# KiCad board DecentXL-keyboard-vintage.kicad_pcb
title: DecentXL keyboard; date: 2024-02-14; rev: 4v
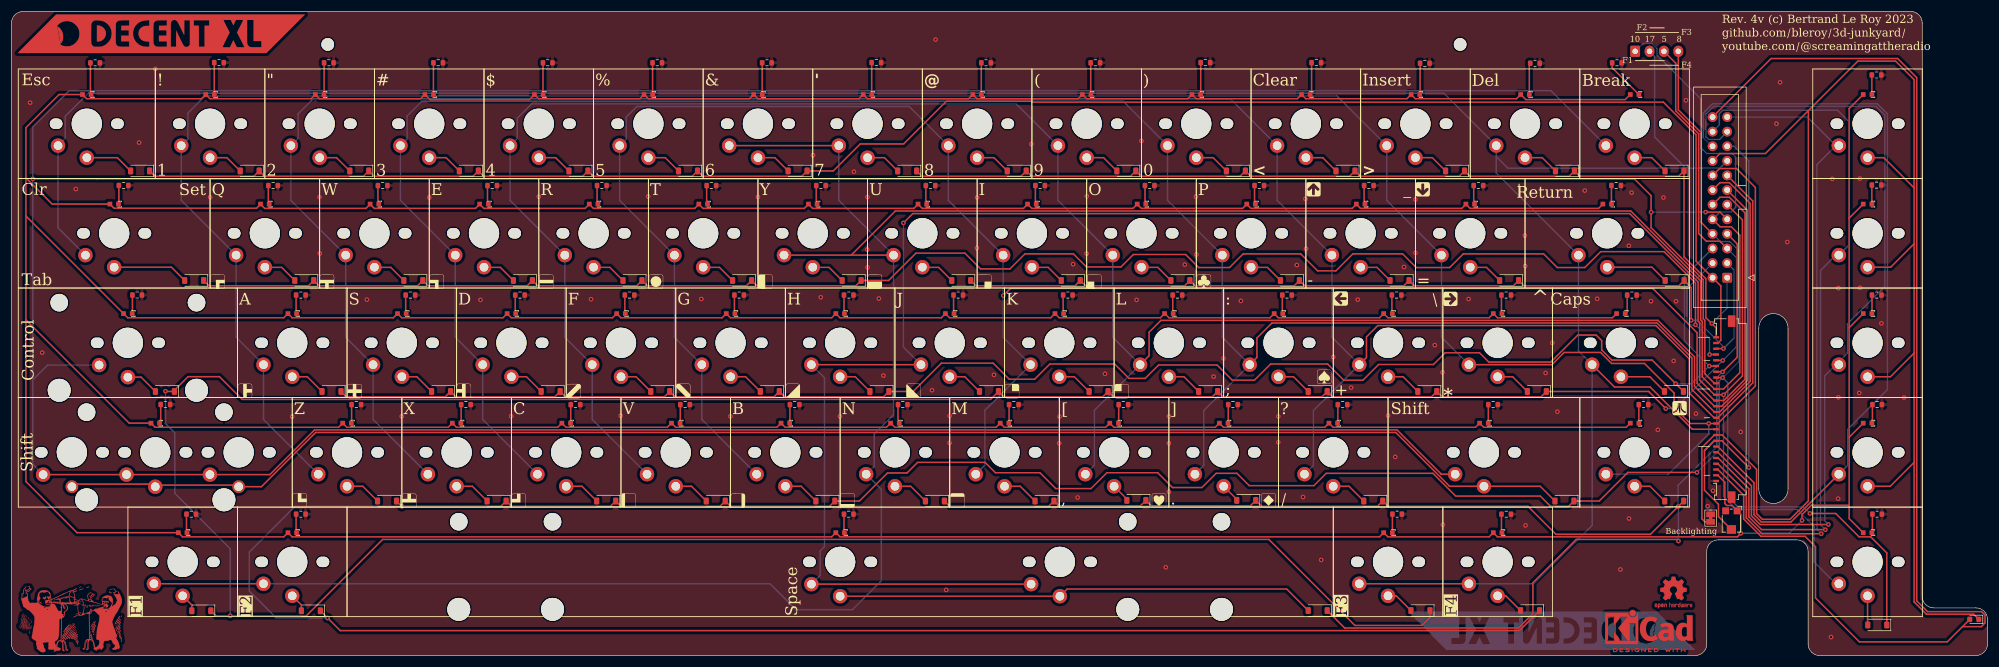
[diagram p0: board, top side]
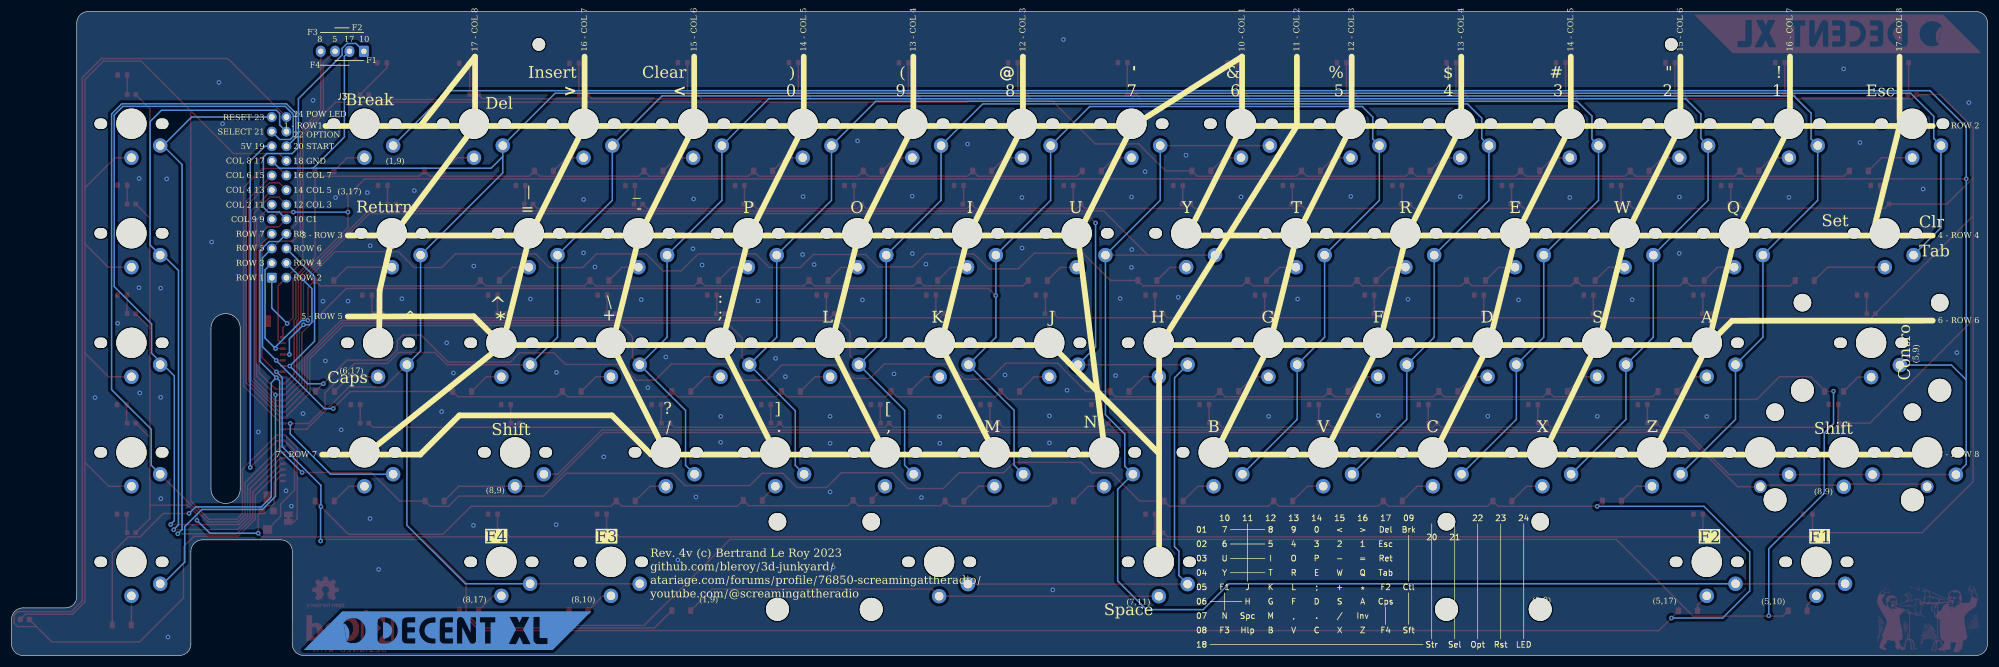
[diagram p1: board, bottom side, seen from below]

Outline 343.52 x 112 mm; copper layers: Top, Bottom. Coordinates in mm from the lower left corner of the outline.
Outline path: 0,110 arc(0.59,111.41) 2,112 330.18,112 arc(331.59,111.41) 332.18,110 332.18,10.28 arc(332.76,8.87) 334.18,8.28 341.52,8.28 arc(342.93,7.69) 343.52,6.28 343.52,2 arc(342.93,0.59) 341.52,0 314.33,0 arc(312.92,0.59) 312.33,2 312.33,18.11 arc(311.75,19.53) 310.33,20.11 296.71,20.11 arc(295.29,19.53) 294.71,18.11 294.72,2 arc(294.13,0.59) 292.72,0 2,0 arc(0.59,0.59) 0,2 0,110 ; 303.76,56.92 303.76,28.98 arc(306.3,26.44) 308.84,28.98 308.84,56.92 arc(306.3,59.46) 303.76,56.92

## Placement (name value [footprint] x y rotation side)
D1  1N4148W  [D_SOD-123]  289.11 84.28 180 top
D2  1N4148W  [D_SOD-123]  26.68 45.92 180 top
D3  1N4148W  [D_SOD-123]  269.98 26.87 180 top
D4  1N4148W  [D_SOD-123]  324.36 5.31 180 top
D5  1N4148W  [D_SOD-123]  155.71 84.27 180 top
D6  1N4148W  [D_SOD-123]  136.66 84.27 180 top
D7  1N4148W  [D_SOD-123]  165.11 65.22 180 top
D8  1N4148W  [D_SOD-123]  146.06 65.22 180 top
D9  1N4148W  [D_SOD-123]  33 7.78 180 top
D10  1N4148W  [D_SOD-123]  160.53 26.87 180 top
D11  1N4148W  [D_SOD-123]  52.05 7.78 180 top
D12  1N4148W  [D_SOD-123]  169.93 45.92 180 top
D13  1N4148W  [D_SOD-123]  150.88 45.92 180 top
D14  1N4148W  [D_SOD-123]  227.08 7.82 180 top
D15  1N4148W  [D_SOD-123]  174.76 84.27 180 top
D16  1N4148W  [D_SOD-123]  117.61 84.27 180 top
D17  1N4148W  [D_SOD-123]  184.16 65.22 180 top
D18  1N4148W  [D_SOD-123]  127.01 65.22 180 top
D19  1N4148W  [D_SOD-123]  188.98 45.92 180 top
D20  1N4148W  [D_SOD-123]  131.83 45.92 180 top
D21  1N4148W  [D_SOD-123]  179.58 26.87 180 top
D22  1N4148W  [D_SOD-123]  141.48 26.87 180 top
D23  1N4148W  [D_SOD-123]  193.81 84.27 180 top
D24  1N4148W  [D_SOD-123]  98.56 84.27 180 top
D25  1N4148W  [D_SOD-123]  203.21 65.22 180 top
D26  1N4148W  [D_SOD-123]  107.96 65.22 180 top
D27  1N4148W  [D_SOD-123]  208.03 45.92 180 top
D28  1N4148W  [D_SOD-123]  112.78 45.92 180 top
D29  1N4148W  [D_SOD-123]  195.55 26.98 180 top
D30  1N4148W  [D_SOD-123]  122.43 26.87 180 top
D31  1N4148W  [D_SOD-123]  212.86 84.27 180 top
D32  1N4148W  [D_SOD-123]  79.51 84.27 180 top
D33  1N4148W  [D_SOD-123]  222.26 65.22 180 top
D34  1N4148W  [D_SOD-123]  88.91 65.22 180 top
D35  1N4148W  [D_SOD-123]  227.08 45.92 180 top
D36  1N4148W  [D_SOD-123]  93.73 45.92 180 top
D37  1N4148W  [D_SOD-123]  214.66 26.98 180 top
D38  1N4148W  [D_SOD-123]  103.38 26.87 180 top
D39  1N4148W  [D_SOD-123]  231.91 84.27 180 top
D40  1N4148W  [D_SOD-123]  60.46 84.27 180 top
D41  1N4148W  [D_SOD-123]  241.31 65.22 180 top
D42  1N4148W  [D_SOD-123]  69.86 65.22 180 top
D43  1N4148W  [D_SOD-123]  246.13 45.92 180 top
D44  1N4148W  [D_SOD-123]  74.68 45.92 180 top
D45  1N4148W  [D_SOD-123]  236.73 26.87 180 top
D46  1N4148W  [D_SOD-123]  84.33 26.87 180 top
D47  LED  [LED_0603_1608Metric]  341.22 6.28 180 top
D48  1N4148W  [D_SOD-123]  250.96 84.27 180 top
D49  1N4148W  [D_SOD-123]  41.41 84.27 180 top
D50  1N4148W  [D_SOD-123]  260.36 65.22 180 top
D51  1N4148W  [D_SOD-123]  50.9 65.22 180 top
D52  1N4148W  [D_SOD-123]  265.18 45.92 180 top
D53  1N4148W  [D_SOD-123]  55.63 45.92 180 top
D54  1N4148W  [D_SOD-123]  289.06 26.87 180 top
D55  1N4148W  [D_SOD-123]  65.28 26.87 180 top
D56  1N4148W  [D_SOD-123]  270.07 84.27 180 top
D57  1N4148W  [D_SOD-123]  22.36 84.27 180 top
D58  1N4148W  [D_SOD-123]  289.14 65.22 180 top
D59  1N4148W  [D_SOD-123]  31.76 65.22 180 top
D60  1N4148W  [D_SOD-123]  244.94 7.82 180 top
D61  1N4148W  [D_SOD-123]  289.02 45.93 180 top
D62  1N4148W  [D_SOD-123]  263.99 7.82 180 top
G***  -  [LOGO]  150.09 65.03 0 top
G***#2  -  [LOGO]  135.84 46.03 0 top
G***#3  -  [LOGO]  97.74 45.98 0 top
G***#4  -  [LOGO]  228.22 48.46 0 top
G***#5  -  [LOGO]  107.29 26.98 0 top
G***#6  -  [LOGO]  156.79 46.03 0 top
G***#7  -  [LOGO]  131.04 65.03 0 top
G***#8  -  [LOGO]  59.64 45.98 0 top
G***#9  -  [LOGO]  88.19 26.93 0 top
G***#10  -  [LOGO]  116.79 46.03 0 top
G***#11  -  [LOGO]  289.99 43.03 0 top
G***#12  -  [LOGO]  169.14 65.03 0 top
G***#13  -  [LOGO]  164.44 26.98 0 top
G***#14  -  [LOGO]  54.84 65.03 0 top
G***#15  -  [LOGO]  231.09 62.08 270 top
G***#16  -  [LOGO]  218.54 26.98 0 top
G***#17  -  [LOGO]  50.09 26.98 0 top
G***#18  -  [LOGO]  245.34 81.08 0 top
G***#19  -  [LOGO]  126.29 26.93 0 top
G***#20  -  [LOGO]  188.24 65.03 0 top
G***#21  -  [LOGO]  35.84 65.03 0 top
G***#22  -  [LOGO]  173.94 45.98 0 top
G***#23  -  [LOGO]  192.99 45.98 0 top
G***#24  -  [LOGO]  40.59 46.03 0 top
G***#25  -  [LOGO]  145.34 26.98 0 top
G***#26  -  [LOGO]  92.99 65.03 0 top
G***#27  -  [LOGO]  112.04 65.03 0 top
G***#28  -  [LOGO]  226.34 81.08 180 top
G***#29  -  [LOGO]  199.49 26.98 0 top
G***#30  -  [LOGO]  78.64 46.03 0 top
G***#31  -  [LOGO]  69.14 26.93 0 top
G***#32  LOGO  [ScreamingAtTheRadio]  10.37 7.39 0 top
G***#33  -  [LOGO]  26.05 108.14 0 top
G***#34  -  [LOGO]  207.29 65.03 0 top
G***#35  -  [LOGO]  250.14 62.03 90 top
G***#36  -  [LOGO]  73.94 65.03 0 top
G***#37  -  [DecentXL Logo]  267.72 4.33 180 bottom
J1  Conn_02x12_Odd_Even  [IDC-Header_2x12_P2.54mm_Vertical]  298.27 65.71 180 top
J2  Conn_01x26  [Molex_200528-0260_1x26-1MP_P1.00mm_Horizontal]  297.25 42.85 90 top
J3  Conn_01x04  [JST_EH_S4B-EH_1x04_P2.50mm_Horizontal]  282.26 105.08 0 bottom
JP1  SolderJumper_2_Bridged  [SolderJumper-2_P1.3mm_Bridged_Pad1.0x1.5mm]  295.39 23.9 90 top
R1  100  [R_0603_1608Metric]  279.1 103.07 0 top
R2  100  [R_0603_1608Metric]  21.85 62.69 0 top
R3  100  [R_0603_1608Metric]  26.76 43.66 0 top
R4  100  [R_0603_1608Metric]  257.56 43.63 0 top
R5  100  [R_0603_1608Metric]  324.34 24.58 0 top
R6  100  [R_0603_1608Metric]  150.36 103.11 0 top
R7  100  [R_0603_1608Metric]  131.32 103.08 0 top
R8  100  [R_0603_1608Metric]  159.77 81.73 0 top
R9  100  [R_0603_1608Metric]  140.72 81.73 0 top
R10  100  [R_0603_1608Metric]  31.25 24.58 0 top
R11  100  [R_0603_1608Metric]  154.95 43.63 0 top
R12  100  [R_0603_1608Metric]  50.3 24.58 0 top
R13  100  [R_0603_1608Metric]  324.34 43.63 0 top
R14  100  [R_0603_1608Metric]  164.6 62.68 0 top
R15  100  [R_0603_1608Metric]  145.55 62.68 0 top
R16  100  [R_0603_1608Metric]  145.55 24.58 0 top
R17  100  [R_0603_1608Metric]  324.26 62.68 0 top
R18  100  [R_0603_1608Metric]  169.43 103.08 0 top
R19  100  [R_0603_1608Metric]  112.27 103.08 0 top
R20  100  [R_0603_1608Metric]  178.82 81.73 0 top
R21  100  [R_0603_1608Metric]  121.67 81.73 0 top
R22  100  [R_0603_1608Metric]  183.65 62.68 0 top
R23  100  [R_0603_1608Metric]  126.5 62.68 0 top
R24  100  [R_0603_1608Metric]  174.25 43.63 0 top
R25  100  [R_0603_1608Metric]  136.15 43.63 0 top
R26  100  [R_0603_1608Metric]  324.24 81.81 0 top
R27  100  [R_0603_1608Metric]  188.43 103.08 0 top
R28  100  [R_0603_1608Metric]  93.22 103.08 0 top
R29  100  [R_0603_1608Metric]  197.87 81.73 0 top
R30  100  [R_0603_1608Metric]  102.62 81.73 0 top
R31  100  [R_0603_1608Metric]  202.7 62.68 0 top
R32  100  [R_0603_1608Metric]  107.45 62.68 0 top
R33  100  [R_0603_1608Metric]  193.3 43.63 0 top
R34  100  [R_0603_1608Metric]  117.1 43.63 0 top
R35  100  [R_0603_1608Metric]  324.24 100.96 0 top
R36  100  [R_0603_1608Metric]  207.56 103.11 0 top
R37  100  [R_0603_1608Metric]  74.18 103.08 0 top
R38  100  [R_0603_1608Metric]  216.92 81.73 0 top
R39  100  [R_0603_1608Metric]  83.57 81.73 0 top
R40  100  [R_0603_1608Metric]  221.75 62.68 0 top
R41  100  [R_0603_1608Metric]  88.4 62.68 0 top
R42  100  [R_0603_1608Metric]  212.35 43.63 0 top
R43  100  [R_0603_1608Metric]  98.05 43.63 0 top
R44  100  [R_0603_1608Metric]  226.84 103.1 0 top
R45  100  [R_0603_1608Metric]  55.17 103.08 0 top
R46  100  [R_0603_1608Metric]  235.97 81.73 0 top
R47  100  [R_0603_1608Metric]  64.52 81.73 0 top
R48  100  [R_0603_1608Metric]  240.8 62.68 0 top
R49  100  [R_0603_1608Metric]  69.35 62.68 0 top
R50  100  [R_0603_1608Metric]  231.4 43.63 0 top
R51  100  [R_0603_1608Metric]  79 43.63 0 top
R52  100  [R_0603_1608Metric]  245.7 103 0 top
R53  100  [R_0603_1608Metric]  36.07 103.11 0 top
R54  100  [R_0603_1608Metric]  255.02 81.73 0 top
R55  100  [R_0603_1608Metric]  45.47 81.73 0 top
R56  100  [R_0603_1608Metric]  259.85 62.68 0 top
R57  100  [R_0603_1608Metric]  50.3 62.68 0 top
R58  100  [R_0603_1608Metric]  283.72 43.63 0 top
R59  100  [R_0603_1608Metric]  59.95 43.63 0 top
R60  100  [R_0603_1608Metric]  264.85 103 0 top
R61  100  [R_0603_1608Metric]  14.54 103.07 0 top
R62  100  [R_0603_1608Metric]  278.97 81.74 0 top
R63  100  [R_0603_1608Metric]  19.49 81.75 0 top
R64  100  [R_0603_1608Metric]  240.89 24.59 0 top
R65  100  [R_0603_1608Metric]  281.7 62.68 0 top
R66  100  [R_0603_1608Metric]  259.85 24.58 0 top
REF**  -  [MountingHole_2.2mm_M2]  251.84 106.27 0 top
REF**#2  -  [KiCad-Logo2_6mm_Copper]  284.7 4.96 0 top
REF**#3  -  [OSHW-Logo2_7.3x6mm_Copper]  288.93 10.95 0 top
REF**#4  -  [MountingHole_2.2mm_M2]  54.98 106.27 0 top
REF**#5  -  [AtariXL_Matrix]  106.62 13.39 180 bottom
RV1  R_Potentiometer  [Potentiometer_Bourns_TC33X_Vertical]  299 23.36 270 top
SW0  0  [Choc-1-00U-LED]  205.97 97.56 0 top
SW1  1  [Choc-1-00U-LED]  34.52 97.56 0 top
SW2  2  [Choc-1-00U-LED]  53.57 97.56 0 top
SW3  3  [Choc-1-00U-LED]  72.62 97.56 0 top
SW4  4  [Choc-1-00U-LED]  91.67 97.56 0 top
SW5  5  [Choc-1-00U-LED]  110.72 97.56 0 top
SW6  6  [Choc-1-00U-LED]  129.77 97.56 0 top
SW7  7  [Choc-1-00U-LED]  148.82 97.56 0 top
SW8  8  [Choc-1-00U-LED]  167.87 97.56 0 top
SW9  9  [Choc-1-00U-LED]  186.92 97.56 0 top
SWA1  A  [Choc-1-00U-LED]  48.81 59.46 0 top
SWB1  B  [Choc-1-00U-LED]  134.53 40.41 0 top
SWBrk1  Break  [Choc-1-00U-LED]  282.17 97.56 0 top
SWC1  C  [Choc-1-00U-LED]  96.43 40.41 0 top
SWComma1  Comma  [Choc-1-00U-LED]  191.68 40.41 0 top
SWCps1  Caps  [Choc-1-25U-LED]  279.79 59.46 0 top
SWCtl1  Control  [Choc-2-00U-LED]  20.23 59.46 0 top
SWD1  D  [Choc-1-00U-LED]  86.91 59.46 0 top
SWDash1  Dash  [Choc-1-00U-LED]  234.54 78.51 0 top
SWDel1  Del  [Choc-1-00U-LED]  263.12 97.56 0 top
SWE1  E  [Choc-1-00U-LED]  82.14 78.51 0 top
SWEqual1  Equal  [Choc-1-00U-LED]  253.59 78.51 0 top
SWEsc1  Esc  [Choc-1-25U-LED]  13.09 97.56 0 top
SWF1  F  [Choc-1-00U-LED]  105.96 59.46 0 top
SWFn1  F1  [Choc-1-00U-LED]  29.76 21.36 0 top
SWFn2  F3  [Choc-1-00U-LED]  48.81 21.36 0 top
SWFn3  F2  [Choc-1-00U-LED]  239.31 21.36 0 top
SWFn4  F4  [Choc-1-00U-LED]  258.36 21.36 0 top
SWG1  G  [Choc-1-00U-LED]  125.01 59.46 0 top
SWGT1  GreaterThan  [Choc-1-00U-LED]  244.07 97.56 0 top
SWH1  H  [Choc-1-00U-LED]  144.06 59.46 0 top
SWHlp1  Help  [Choc-1-00U-LED]  322.67 21.36 0 top
SWI1  I  [Choc-1-00U-LED]  177.39 78.51 0 top
SWInv1  Inverse  [Choc-1-00U-LED]  282.17 40.41 0 top
SWJ1  J  [Choc-1-00U-LED]  163.11 59.46 0 top
SWK1  K  [Choc-1-00U-LED]  182.16 59.46 0 top
SWL1  L  [Choc-1-00U-LED]  201.21 59.46 0 top
SWLeftSft1  Shift  [Choc-2-50U-LED]  24.99 40.41 0 top
SWLT1  LessThan  [Choc-1-00U-LED]  225.02 97.56 0 top
SWM1  M  [Choc-1-00U-LED]  172.63 40.41 0 top
SWN1  N  [Choc-1-00U-LED]  153.58 40.41 0 top
SWO1  O  [Choc-1-00U-LED]  196.44 78.51 0 top
SWOption1  Option  [Choc-1-00U-LED]  322.67 78.51 0 top
SWP1  P  [Choc-1-00U-LED]  215.49 78.51 0 top
SWPeriod1  Period  [Choc-1-00U-LED]  210.73 40.41 0 top
SWPlus1  Plus  [Choc-1-00U-LED]  239.31 59.46 0 top
SWQ1  Q  [Choc-1-00U-LED]  44.04 78.51 0 top
SWR1  R  [Choc-1-00U-LED]  101.19 78.51 0 top
SWReset1  Reset  [Choc-1-00U-LED]  322.67 97.56 0 top
SWRet1  Return  [Choc-1-50U-LED]  277.41 78.51 0 top
SWRightSft1  Shift  [Choc-1-75U-LED]  255.97 40.41 0 top
SWS1  S  [Choc-1-00U-LED]  67.86 59.46 0 top
SWSelect1  Select  [Choc-1-00U-LED]  322.67 59.46 0 top
SWSemi1  Semicolon  [Choc-1-00U-LED]  220.26 59.46 0 top
SWSlash1  Slash  [Choc-1-00U-LED]  229.78 40.41 0 top
SWSpc1  Space  [Choc-9-00U-LED]  144.06 21.36 0 top
SWStar1  Star  [Choc-1-00U-LED]  258.36 59.46 0 top
SWStart1  Start  [Choc-1-00U-LED]  322.67 40.41 0 top
SWT1  T  [Choc-1-00U-LED]  120.24 78.51 0 top
SWTab1  Tab  [Choc-1-75U-LED]  17.85 78.51 0 top
SWU1  U  [Choc-1-00U-LED]  158.34 78.51 0 top
SWV1  V  [Choc-1-00U-LED]  115.48 40.41 0 top
SWW1  W  [Choc-1-00U-LED]  63.09 78.51 0 top
SWX1  X  [Choc-1-00U-LED]  77.38 40.41 0 top
SWY1  Y  [Choc-1-00U-LED]  139.29 78.51 0 top
SWZ1  Z  [Choc-1-00U-LED]  58.33 40.41 0 top

## Library data of the parts
D1-D46 D48-D62 = -: Description: 75V 0.15A Fast Switching Diode, SOD-123; JLCPCB Part #: C81598
D47 = -: Description: Light emitting diode; JLCPCB Part #: C2286
J1 = -: Description: Generic connector, double row, 02x12, odd/even pin numbering scheme (row 1 odd numbers, row 2 even numbers), script generated (kicad-library-utils/schlib/autogen/connector/)
J2 = -: Description: Generic connector, single row, 01x26, script generated (kicad-library-utils/schlib/autogen/connector/); JLCPCB Part #: C60248
J3 = -: Description: Generic connector, single row, 01x04, script generated (kicad-library-utils/schlib/autogen/connector/)
JP1 = -: Description: Solder Jumper, 2-pole, closed/bridged
R1-R66 = -: Description: Resistor; JLCPCB Part #: C22775
RV1 = -: Description: Potentiometer; JLCPCB Part #: C720647; JLCPCB Rotation Offset: 270; Field6: Wiper may be / anywhere within / circle shown
SW0-SW9 SWA1 SWB1 SWBrk1 SWC1 SWComma1 SWCps1 SWCtl1 SWD1 SWDash1 SWDel1 SWE1 SWEqual1 SWEsc1 SWF1 SWFn1-SWFn4 SWG1 SWGT1 SWH1 SWHlp1 SWI1 SWInv1 SWJ1 SWK1 SWL1 SWLeftSft1 SWLT1 SWM1 SWN1 SWO1 SWOption1 SWP1 SWPeriod1 SWPlus1 SWQ1 SWR1 SWReset1 SWRightSft1 SWS1 SWSelect1 SWSemi1 SWSlash1 SWSpc1 SWStar1 SWStart1 SWT1 SWTab1 SWU1 SWV1 SWW1 SWX1 SWY1 SWZ1 = -: JLCPCB Part #: C193191; JLCPCB Rotation Offset: 180
SWRet1 = -: JLCPCB Part #: C193191; JLCPCB Rotation Offset: 270

## Footprints (pads in the part's own frame, mm; a bottom-side part is the same pattern mirrored in y, then rotated)
Choc-1-00U-LED
  oval 2.2x1.8 hole 2.2x1.8 unplated: (-5.33,-5.08) (5.33,-5.08)
  round 5.25 hole 5.25 unplated: (0,-5.08)
  round 2.5 hole 1.499: 1(-5,-8.88) 2(0,-10.98)
  rect 0.8x0.8 smd: 3(0.75,0) 4(-0.75,0)
Choc-1-25U-LED
  oval 2.2x1.8 hole 2.2x1.8 unplated: (-5.33,-5.08) (5.33,-5.08)
  round 5.25 hole 5.25 unplated: (0,-5.08)
  round 2.5 hole 1.499: 1(-5,-8.88) 2(0,-10.98)
  rect 0.8x0.8 smd: 3(0.75,0) 4(-0.75,0)
Choc-1-50U-LED
  oval 2.2x1.8 hole 2.2x1.8 unplated: (-5.33,-5.08) (5.33,-5.08)
  round 5.25 hole 5.25 unplated: (0,-5.08)
  round 2.5 hole 1.499: 1(-5,-8.88) 2(0,-10.98)
  rect 0.8x0.8 smd: 3(0.75,0) 4(-0.75,0)
Choc-1-75U-LED
  oval 2.2x1.8 hole 2.2x1.8 unplated: (-5.33,-5.08) (5.33,-5.08)
  round 5.25 hole 5.25 unplated: (0,-5.08)
  round 2.5 hole 1.499: 1(-5,-8.88) 2(0,-10.98)
  rect 0.8x0.8 smd: 3(0.75,0) 4(-0.75,0)
Choc-2-00U-LED
  round 3.048 hole 3.048 unplated: (-11.938,1.905) (11.938,1.905)
  round 3.988 hole 3.988 unplated: (-11.938,-13.335) (11.938,-13.335)
  oval 2.2x1.8 hole 2.2x1.8 unplated: (-5.33,-5.08) (5.33,-5.08)
  round 5.25 hole 5.25 unplated: (0,-5.08)
  round 2.5 hole 1.5: 1(-5,-8.95) 2(0,-11.05)
  rect 0.8x0.8 smd: 3(0.75,0) 4(-0.75,0)
Choc-2-50U-LED
  oval 2.2x1.8 hole 2.2x1.8 unplated: (-19.83,-5.08) (-9.17,-5.08) (-5.33,-5.08) (5.33,-5.08) (9.17,-5.08) (19.83,-5.08)
  round 5.25 hole 5.25 unplated: (-14.5,-5.08) (0,-5.08) (14.5,-5.08)
  round 3.048 hole 3.048 unplated: (-11.938,1.905) (11.938,1.905)
  round 3.988 hole 3.988 unplated: (-11.938,-13.335) (11.938,-13.335)
  round 2.5 hole 1.5: 1(-19.5,-8.95) 1(-5,-8.95) 1(9.5,-8.95) 2(0,-11.05)
  round 2.2 hole 1.5: 2(-14.5,-11.05) 2(14.5,-11.05)
  rect 0.8x0.8 smd: 3(0.75,0) 4(-0.75,0)
Choc-9-00U-LED
  round 3.048 hole 3.048 unplated: (-66.3,1.905) (-50,1.905) (50,1.905) (66.3,1.905)
  round 3.988 hole 3.988 unplated: (-66.3,-13.335) (-50,-13.335) (50,-13.335) (66.3,-13.335)
  oval 2.2x1.8 hole 2.2x1.8 unplated: (-5.33,-5.08) (5.33,-5.08) (32.87,-5.08) (43.53,-5.08)
  round 5.25 hole 5.25 unplated: (0,-5.08) (38.2,-5.08)
  round 2.5 hole 1.5: 1(-5,-8.95) 1(33.2,-8.95) 2(0,-11.05) 2(38.2,-11.05)
  rect 0.8x0.8 smd: 3(0.75,0) 4(-0.75,0)
D_SOD-123
  rrect 0.9x1.2 smd: 1(-1.65,0) 2(1.65,0)
IDC-Header_2x12_P2.54mm_Vertical
  rrect 1.7x1.7 hole 1: 1(0,0)
  round 1.7 hole 1: 2(2.54,0) 3(0,-2.54) 4(2.54,-2.54) 5(0,-5.08) 6(2.54,-5.08) 7(0,-7.62) 8(2.54,-7.62) 9(0,-10.16) 10(2.54,-10.16) 11(0,-12.7) 12(2.54,-12.7) 13(0,-15.24) 14(2.54,-15.24) 15(0,-17.78) 16(2.54,-17.78) 17(0,-20.32) 18(2.54,-20.32) 19(0,-22.86) 20(2.54,-22.86) 21(0,-25.4) 22(2.54,-25.4) 23(0,-27.94) 24(2.54,-27.94)
JST_EH_S4B-EH_1x04_P2.50mm_Horizontal
  rrect 1.7x1.95 hole 0.95: 1(0,0)
  oval 1.7x1.95 hole 0.95: 2(2.5,0) 3(5,0) 4(7.5,0)
LED_0603_1608Metric
  rrect 0.875x0.95 smd: 1(-0.787,0) 2(0.787,0)
Molex_200528-0260_1x26-1MP_P1.00mm_Horizontal
  rect 0.4x1 smd: 1(12.5,0.91) 2(11.5,0.91) 3(10.5,0.91) 4(9.5,0.91) 5(8.5,0.91) 6(7.5,0.91) 7(6.5,0.91) 8(5.5,0.91) 9(4.5,0.91) 10(3.5,0.91) 11(2.5,0.91) 12(1.5,0.91) 13(0.5,0.91) 14(-0.5,0.91) 15(-1.5,0.91) 16(-2.5,0.91) 17(-3.5,0.91) 18(-4.5,0.91) 19(-5.5,0.91) 20(-6.5,0.91) 21(-7.5,0.91) 22(-8.5,0.91) 23(-9.5,0.91) 24(-10.5,0.91) 25(-11.5,0.91) 26(-12.5,0.91)
  rect 2x1.3 smd: MP(-15.3,-1.79) MP(15.3,-1.79)
MountingHole_2.2mm_M2
  round 2.2 hole 2.2 unplated: (0,0)
Potentiometer_Bourns_TC33X_Vertical
  rect 1.2x1.2 smd: 1(-1.8,1) 3(-1.8,-1)
  rect 1.5x1.6 smd: 2(1.45,0)
R_0603_1608Metric
  rrect 0.8x0.95 smd: 1(-0.825,0) 2(0.825,0)
SolderJumper-2_P1.3mm_Bridged_Pad1.0x1.5mm
  rect 1x1.5 smd: 1(-0.65,0) 2(0.65,0)

## Nets
GND: D47.1 J1.18 J2.18 JP1.1 SWOption1.2 SWReset1.2 SWSelect1.2 SWStart1.2
VCC_LED: J2.25 RV1.1 SW0.4 SW1.4 SW2.4 SW3.4 SW4.4 SW5.4 SW6.4 SW7.4 SW8.4 SW9.4 SWA1.4 SWB1.4 SWBrk1.4 SWC1.4 SWComma1.4 SWCps1.4 SWCtl1.4 SWD1.4 SWDash1.4 SWDel1.4 SWE1.4 SWEqual1.4 SWEsc1.4 SWF1.4 SWFn1.4 SWFn2.4 SWFn3.4 SWFn4.4 SWG1.4 SWGT1.4 SWH1.4 SWHlp1.4 SWI1.4 SWInv1.4 SWJ1.4 SWK1.4 SWL1.4 SWLeftSft1.4 SWLT1.4 SWM1.4 SWN1.4 SWO1.4 SWOption1.4 SWP1.4 SWPeriod1.4 SWPlus1.4 SWQ1.4 SWR1.4 SWReset1.4 SWRet1.4 SWRightSft1.4 SWS1.4 SWSelect1.4 SWSemi1.4 SWSlash1.4 SWSpc1.4 SWStar1.4 SWStart1.4 SWT1.4 SWTab1.4 SWU1.4 SWV1.4 SWW1.4 SWX1.4 SWY1.4 SWZ1.4
COL_1: J1.10 J2.10 J3.1 SW6.1 SW7.1 SWFn1.1 SWFn2.1 SWN1.1 SWU1.1 SWY1.1
COL_2: J1.11 J2.11 SWH1.1 SWHlp1.1 SWJ1.1 SWSpc1.1
COL_3: J1.12 J2.12 SW5.1 SW8.1 SWB1.1 SWG1.1 SWI1.1 SWK1.1 SWM1.1 SWT1.1
COL_4: J1.13 J2.13 SW4.1 SW9.1 SWComma1.1 SWF1.1 SWL1.1 SWO1.1 SWR1.1 SWV1.1
COL_5: J1.14 J2.14 SW0.1 SW3.1 SWC1.1 SWD1.1 SWE1.1 SWP1.1 SWPeriod1.1 SWSemi1.1
COL_6: J1.15 J2.15 SW2.1 SWDash1.1 SWLT1.1 SWPlus1.1 SWS1.1 SWSlash1.1 SWW1.1 SWX1.1
COL_7: J1.16 J2.16 SW1.1 SWA1.1 SWEqual1.1 SWGT1.1 SWInv1.1 SWQ1.1 SWStar1.1 SWZ1.1
COL_8: J1.17 J2.17 J3.2 SWCps1.1 SWDel1.1 SWEsc1.1 SWFn3.1 SWFn4.1 SWRet1.1 SWTab1.1
COL_9: J1.9 J2.9 SWBrk1.1 SWCtl1.1 SWLeftSft1.1 SWRightSft1.1
LED_GND: J2.26 JP1.2 R1.2 R2.2 R3.2 R4.2 R5.2 R6.2 R7.2 R8.2 R9.2 R10.2 R11.2 R12.2 R13.2 R14.2 R15.2 R16.2 R17.2 R18.2 R19.2 R20.2 R21.2 R22.2 R23.2 R24.2 R25.2 R26.2 R27.2 R28.2 R29.2 R30.2 R31.2 R32.2 R33.2 R34.2 R35.2 R36.2 R37.2 R38.2 R39.2 R40.2 R41.2 R42.2 R43.2 R44.2 R45.2 R46.2 R47.2 R48.2 R49.2 R50.2 R51.2 R52.2 R53.2 R54.2 R55.2 R56.2 R57.2 R58.2 R59.2 R60.2 R61.2 R62.2 R63.2 R64.2 R65.2 R66.2
OPTION: J1.22 J2.22 SWOption1.1
POWER: J1.19 J2.19 RV1.2
PWR_LED: D47.2 J1.24 J2.24
RESET: J1.23 J2.23 SWReset1.1
ROW_1: D1.1 D5.1 D15.1 D23.1 D31.1 D39.1 D48.1 D56.1 J1.1 J2.1
ROW_2: D6.1 D16.1 D24.1 D32.1 D40.1 D49.1 D57.1 J1.2 J2.2
ROW_3: D7.1 D17.1 D25.1 D33.1 D41.1 D50.1 D58.1 J1.3 J2.3
ROW_4: D8.1 D18.1 D26.1 D34.1 D42.1 D51.1 D59.1 J1.4 J2.4
ROW_5: D2.1 D9.1 D12.1 D19.1 D27.1 D35.1 D43.1 D52.1 D60.1 J1.5 J2.5 J3.3
ROW_6: D13.1 D20.1 D28.1 D36.1 D44.1 D53.1 D61.1 J1.6 J2.6
ROW_7: D10.1 D14.1 D21.1 D29.1 D37.1 D45.1 D54.1 J1.7 J2.7
ROW_8: D3.1 D4.1 D11.1 D22.1 D30.1 D38.1 D46.1 D55.1 D62.1 J1.8 J2.8 J3.4
SELECT: J1.21 J2.21 SWSelect1.1
START: J1.20 J2.20 SWStart1.1
Net-(D1-A): D1.2 SWBrk1.2
Net-(D2-A): D2.2 SWCtl1.2
Net-(D3-A): D3.2 SWLeftSft1.2 SWRightSft1.2
Net-(D4-A): D4.2 SWHlp1.2
Net-(D5-A): D5.2 SW7.2
Net-(D6-A): D6.2 SW6.2
Net-(D7-A): D7.2 SWU1.2
Net-(D8-A): D8.2 SWY1.2
Net-(D9-A): D9.2 SWFn1.2
Net-(D10-A): D10.2 SWN1.2
Net-(D11-A): D11.2 SWFn2.2
Net-(D12-A): D12.2 SWJ1.2
Net-(D13-A): D13.2 SWH1.2
Net-(D14-A): D14.2 SWSpc1.2
Net-(D15-A): D15.2 SW8.2
Net-(D16-A): D16.2 SW5.2
Net-(D17-A): D17.2 SWI1.2
Net-(D18-A): D18.2 SWT1.2
Net-(D19-A): D19.2 SWK1.2
Net-(D20-A): D20.2 SWG1.2
Net-(D21-A): D21.2 SWM1.2
Net-(D22-A): D22.2 SWB1.2
Net-(D23-A): D23.2 SW9.2
Net-(D24-A): D24.2 SW4.2
Net-(D25-A): D25.2 SWO1.2
Net-(D26-A): D26.2 SWR1.2
Net-(D27-A): D27.2 SWL1.2
Net-(D28-A): D28.2 SWF1.2
Net-(D29-A): D29.2 SWComma1.2
Net-(D30-A): D30.2 SWV1.2
Net-(D31-A): D31.2 SW0.2
Net-(D32-A): D32.2 SW3.2
Net-(D33-A): D33.2 SWP1.2
Net-(D34-A): D34.2 SWE1.2
Net-(D35-A): D35.2 SWSemi1.2
Net-(D36-A): D36.2 SWD1.2
Net-(D37-A): D37.2 SWPeriod1.2
Net-(D38-A): D38.2 SWC1.2
Net-(D39-A): D39.2 SWLT1.2
Net-(D40-A): D40.2 SW2.2
Net-(D41-A): D41.2 SWDash1.2
Net-(D42-A): D42.2 SWW1.2
Net-(D43-A): D43.2 SWPlus1.2
Net-(D44-A): D44.2 SWS1.2
Net-(D45-A): D45.2 SWSlash1.2
Net-(D46-A): D46.2 SWX1.2
Net-(D48-A): D48.2 SWGT1.2
Net-(D49-A): D49.2 SW1.2
Net-(D50-A): D50.2 SWEqual1.2
Net-(D51-A): D51.2 SWQ1.2
Net-(D52-A): D52.2 SWStar1.2
Net-(D53-A): D53.2 SWA1.2
Net-(D54-A): D54.2 SWInv1.2
Net-(D55-A): D55.2 SWZ1.2
Net-(D56-A): D56.2 SWDel1.2
Net-(D57-A): D57.2 SWEsc1.2
Net-(D58-A): D58.2 SWRet1.2
Net-(D59-A): D59.2 SWTab1.2
Net-(D60-A): D60.2 SWFn3.2
Net-(D61-A): D61.2 SWCps1.2
Net-(D62-A): D62.2 SWFn4.2
Net-(R1-Pad1): R1.1 SWBrk1.3
Net-(R2-Pad1): R2.1 SWCtl1.3
Net-(R3-Pad1): R3.1 SWLeftSft1.3
Net-(R4-Pad1): R4.1 SWRightSft1.3
Net-(R5-Pad1): R5.1 SWHlp1.3
Net-(R6-Pad1): R6.1 SW7.3
Net-(R7-Pad1): R7.1 SW6.3
Net-(R8-Pad1): R8.1 SWU1.3
Net-(R9-Pad1): R9.1 SWY1.3
Net-(R10-Pad1): R10.1 SWFn1.3
Net-(R11-Pad1): R11.1 SWN1.3
Net-(R12-Pad1): R12.1 SWFn2.3
Net-(R13-Pad1): R13.1 SWStart1.3
Net-(R14-Pad1): R14.1 SWJ1.3
Net-(R15-Pad1): R15.1 SWH1.3
Net-(R16-Pad1): R16.1 SWSpc1.3
Net-(R17-Pad1): R17.1 SWSelect1.3
Net-(R18-Pad1): R18.1 SW8.3
Net-(R19-Pad1): R19.1 SW5.3
Net-(R20-Pad1): R20.1 SWI1.3
Net-(R21-Pad1): R21.1 SWT1.3